# Altium PCB D73-V1.2 交通灯系统.PcbDoc (part 1 of 3) (continued)
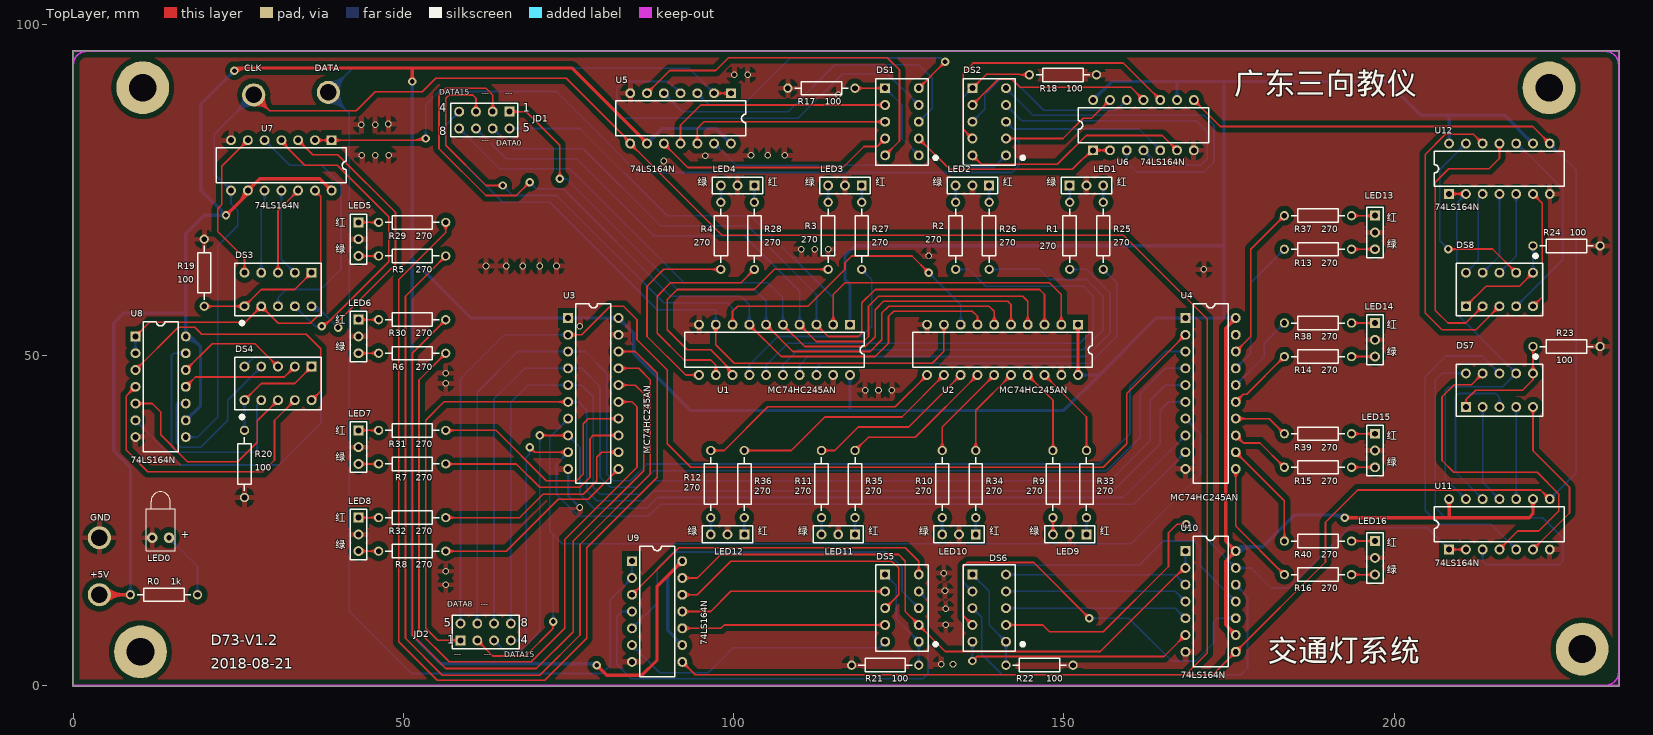
[diagram p0: TopLayer view]
## Nets (pads, with @x,y where several pads share a name; then routed paths per layer and width w, separated by ;. In a path a pad name is that pad's centre, name@x,y a point inside that pad or via, vN(x,y) a via of type N, cw(c..) or ccw(c..) an arc to the next point about the centre after c; other vN are vias at no path point) (continued)
  BottomLayer w0.254: JD1.4@57.797,86.868 cw(c56.293,86.868) 57.356,85.804 cw(c58.42,84.741) JD1.4@58.42,86.245 ; JD1.4@58.051,86.868 cw(c57.16,86.868) 57.79,86.238 cw(c58.42,85.608) JD1.4@58.42,86.499 ; JD1.4@58.42,86.868 56.388,84.836 56.388,81.788 65.024,73.152 72.136,73.152 88.392,56.896 97.028,56.896 97.282,56.642 U1.9@97.282,54.61 ; U1.9@96.841,55.051 ccw(c95.778,56.114) 97.282,56.114 ccw(c98.786,56.114) U1.9@97.723,55.051 ; U1.9@97.021,54.871 ccw(c96.391,55.501) 97.282,55.501 ccw(c98.173,55.501) U1.9@97.543,54.871
DAT8: JD2.5 U3.2 U4.2 | length 197.7
  TopLayer w0.254: U3.2@74.93,53.086 76.962,53.086 81.28,57.404 83.312,57.404 85.344,55.372 85.344,52.324 89.916,47.752 89.916,36.576 93.472,33.02 155.956,33.02 159.512,36.576 159.512,44.196 U4.2@168.402,53.086 ; U3.2@75.191,52.825 cw(c75.821,52.195) 75.821,53.086 cw(c75.821,53.977) U3.2@75.191,53.347 ; U3.2@75.371,52.645 cw(c76.434,51.582) 76.434,53.086 cw(c76.434,54.59) U3.2@75.371,53.527 ; U4.2@167.779,53.086 cw(c166.275,53.086) 167.338,52.022 cw(c168.402,50.959) U4.2@168.402,52.463 ; U4.2@168.033,53.086 cw(c167.142,53.086) 167.772,52.456 cw(c168.402,51.826) U4.2@168.402,52.717
  BottomLayer w0.254: JD2.5@58.183,9.788 ccw(c57.119,10.851) 58.623,10.851 ccw(c60.127,10.851) JD2.5@59.064,9.788 ; JD2.5@58.362,9.608 ccw(c57.732,10.238) 58.623,10.238 ccw(c59.514,10.238) JD2.5@58.884,9.608 ; JD2.5@58.623,9.347 58.623,46.431 65.278,53.086 U3.2@74.93,53.086 ; U3.2@74.489,52.645 ccw(c73.426,51.582) 73.426,53.086 ccw(c73.426,54.59) U3.2@74.489,53.527 ; U3.2@74.669,52.825 ccw(c74.039,52.195) 74.039,53.086 ccw(c74.039,53.977) U3.2@74.669,53.347
DAT9: JD2.6 U3.3 U4.3 | length 189.2
  BottomLayer w0.254: JD2.6@60.723,9.788 ccw(c59.659,10.851) 61.163,10.851 ccw(c62.667,10.851) JD2.6@61.604,9.788 ; JD2.6@60.902,9.608 ccw(c60.272,10.238) 61.163,10.238 ccw(c62.054,10.238) JD2.6@61.424,9.608 ; JD2.6@61.163,9.347 61.163,44.399 67.31,50.546 U3.3@74.93,50.546 77.47,50.546 80.772,47.244 80.772,32.004 81.788,30.988 84.328,30.988 86.868,33.528 155.448,33.528 160.02,38.1 160.02,45.212 165.354,50.546 U4.3@168.402,50.546 ; U3.3@74.489,50.105 ccw(c73.426,49.042) 73.426,50.546 ccw(c73.426,52.05) U3.3@74.489,50.987 ; U3.3@74.669,50.285 ccw(c74.039,49.655) 74.039,50.546 ccw(c74.039,51.437) U3.3@74.669,50.807 ; U3.3@75.191,50.285 cw(c75.821,49.655) 75.821,50.546 cw(c75.821,51.437) U3.3@75.191,50.807 ; U3.3@75.371,50.105 cw(c76.434,49.042) 76.434,50.546 cw(c76.434,52.05) U3.3@75.371,50.987 ; U4.3@167.961,50.105 ccw(c166.898,49.042) 166.898,50.546 ccw(c166.898,52.05) U4.3@167.961,50.987 ; U4.3@168.141,50.285 ccw(c167.511,49.655) 167.511,50.546 ccw(c167.511,51.437) U4.3@168.141,50.807
DAT10: JD2.7 U3.4 U4.4 | length 182.5
  BottomLayer w0.254: JD2.7@63.263,9.788 ccw(c62.199,10.851) 63.703,10.851 ccw(c65.207,10.851) JD2.7@64.144,9.788 ; JD2.7@63.442,9.608 ccw(c62.812,10.238) 63.703,10.238 ccw(c64.594,10.238) JD2.7@63.964,9.608 ; JD2.7@63.703,9.347 63.703,43.383 68.326,48.006 U3.4@74.93,48.006 76.962,48.006 79.756,45.212 79.756,31.496 81.28,29.972 85.344,29.972 87.884,32.512 156.464,32.512 161.544,37.592 161.544,44.196 165.354,48.006 U4.4@168.402,48.006 ; U3.4@74.489,47.565 ccw(c73.426,46.502) 73.426,48.006 ccw(c73.426,49.51) U3.4@74.489,48.447 ; U3.4@74.669,47.745 ccw(c74.039,47.115) 74.039,48.006 ccw(c74.039,48.897) U3.4@74.669,48.267 ; U3.4@75.191,47.745 cw(c75.821,47.115) 75.821,48.006 cw(c75.821,48.897) U3.4@75.191,48.267 ; U3.4@75.371,47.565 cw(c76.434,46.502) 76.434,48.006 cw(c76.434,49.51) U3.4@75.371,48.447 ; U4.4@167.961,47.565 ccw(c166.898,46.502) 166.898,48.006 ccw(c166.898,49.51) U4.4@167.961,48.447 ; U4.4@168.141,47.745 ccw(c167.511,47.115) 167.511,48.006 ccw(c167.511,48.897) U4.4@168.141,48.267
DAT11: JD2.8 U3.5 U4.5 | length 177.1
  BottomLayer w0.254: JD2.8@65.803,9.788 ccw(c64.739,10.851) 66.243,10.851 ccw(c67.747,10.851) JD2.8@66.684,9.788 ; JD2.8@65.982,9.608 ccw(c65.352,10.238) 66.243,10.238 ccw(c67.134,10.238) JD2.8@66.504,9.608 ; JD2.8@66.243,9.347 66.243,42.875 68.834,45.466 U3.5@74.93,45.466 76.962,45.466 78.74,43.688 78.74,29.972 79.756,28.956 85.852,28.956 87.884,30.988 156.972,30.988 163.068,37.084 163.068,43.18 165.354,45.466 U4.5@168.402,45.466 ; U3.5@74.489,45.025 ccw(c73.426,43.962) 73.426,45.466 ccw(c73.426,46.97) U3.5@74.489,45.907 ; U3.5@74.669,45.205 ccw(c74.039,44.575) 74.039,45.466 ccw(c74.039,46.357) U3.5@74.669,45.727 ; U3.5@75.191,45.205 cw(c75.821,44.575) 75.821,45.466 cw(c75.821,46.357) U3.5@75.191,45.727 ; U3.5@75.371,45.025 cw(c76.434,43.962) 76.434,45.466 cw(c76.434,46.97) U3.5@75.371,45.907 ; U4.5@167.961,45.025 ccw(c166.898,43.962) 166.898,45.466 ccw(c166.898,46.97) U4.5@167.961,45.907 ; U4.5@168.141,45.205 ccw(c167.511,44.575) 167.511,45.466 ccw(c167.511,46.357) U4.5@168.141,45.727
DAT12: JD2.1 U3.6 U4.6 | length 191.3
  TopLayer w0.254: JD2.1@58.183,6.367 ccw(c57.119,5.303) 57.119,6.807 ccw(c57.119,8.311) JD2.1@58.183,7.248 ; JD2.1@58.362,6.546 ccw(c57.732,5.916) 57.732,6.807 ccw(c57.732,7.698) JD2.1@58.362,7.068 ; JD2.1@58.623,6.807 55.169,6.807 53.34,8.636 53.34,40.132 56.134,42.926 U3.6@74.93,42.926 ; U3.6@74.489,42.485 ccw(c73.426,41.422) 73.426,42.926 ccw(c73.426,44.43) U3.6@74.489,43.367 ; U3.6@74.669,42.665 ccw(c74.039,42.035) 74.039,42.926 ccw(c74.039,43.817) U3.6@74.669,43.187
  BottomLayer w0.254: U3.6@74.93,42.926 76.454,42.926 77.724,41.656 77.724,29.464 79.248,27.94 86.36,27.94 87.884,29.464 157.48,29.464 164.592,36.576 164.592,41.656 165.862,42.926 U4.6@168.402,42.926 ; U3.6@75.191,42.665 cw(c75.821,42.035) 75.821,42.926 cw(c75.821,43.817) U3.6@75.191,43.187 ; U3.6@75.371,42.485 cw(c76.434,41.422) 76.434,42.926 cw(c76.434,44.43) U3.6@75.371,43.367 ; U4.6@167.961,42.485 ccw(c166.898,41.422) 166.898,42.926 ccw(c166.898,44.43) U4.6@167.961,43.367 ; U4.6@168.141,42.665 ccw(c167.511,42.035) 167.511,42.926 ccw(c167.511,43.817) U4.6@168.141,43.187
DAT13: JD2.2 U3.7 U4.7 | length 174.3
  TopLayer w0.254: JD2.2@61.163,6.184 cw(c61.163,4.68) 62.227,5.744 cw(c63.29,6.807) JD2.2@61.786,6.807 ; JD2.2@61.163,6.438 cw(c61.163,5.547) 61.793,6.177 cw(c62.423,6.807) JD2.2@61.532,6.807 ; JD2.2@61.163,6.807 63.525,4.445 68.453,4.445 72.644,8.636 ; v2@72.339,9.246 cw(c71.882,8.636) 72.644,8.636 ; v2(72.644,9.652) 72.644,8.636 ; v2@72.949,9.246 ccw(c73.406,8.636) 72.644,8.636
  BottomLayer w0.254: v2@72.285,10.011 ccw(c71.418,10.878) 72.644,10.878 ccw(c73.87,10.878) v2@73.003,10.011 ; v2(72.644,9.652) 72.644,22.86 ; U3.7@74.307,40.386 cw(c72.803,40.386) 73.866,39.322 cw(c74.93,38.259) U3.7@74.93,39.763 ; U3.7@74.561,40.386 cw(c73.67,40.386) 74.3,39.756 cw(c74.93,39.126) U3.7@74.93,40.017 ; U3.7@74.93,40.386 72.136,37.592 72.136,23.368 72.644,22.86 ; U4.7@168.402,39.763 cw(c168.402,38.259) 169.466,39.322 cw(c170.529,40.386) U4.7@169.025,40.386 ; U4.7@168.402,40.017 cw(c168.402,39.126) 169.032,39.756 cw(c169.662,40.386) U4.7@168.771,40.386 ; U4.7@168.402,40.386 170.688,38.1 170.688,32.004 160.147,21.463 74.041,21.463 72.644,22.86
DAT14: JD2.3 U3.8 U4.8 | length 168.6
  TopLayer w0.254: v2(70.612,37.846) U3.8@74.93,37.846 ; v2@70.971,37.487 cw(c71.838,36.62) 71.838,37.846 cw(c71.838,39.072) v2@70.971,38.205 ; U3.8@74.489,37.405 ccw(c73.426,36.342) 73.426,37.846 ccw(c73.426,39.35) U3.8@74.489,38.287 ; U3.8@74.669,37.585 ccw(c74.039,36.955) 74.039,37.846 ccw(c74.039,38.737) U3.8@74.669,38.107
  BottomLayer w0.254: JD2.3@63.703,6.184 cw(c63.703,4.68) 64.767,5.744 cw(c65.83,6.807) JD2.3@64.326,6.807 ; JD2.3@63.703,6.438 cw(c63.703,5.547) 64.333,6.177 cw(c64.963,6.807) JD2.3@64.072,6.807 ; JD2.3@63.703,6.807 65.43,5.08 67.564,5.08 70.612,8.128 v2(70.612,37.846) ; v2@70.253,37.487 cw(c69.386,36.62) 70.612,36.62 cw(c71.838,36.62) v2@70.971,37.487 ; U3.8@74.93,37.223 cw(c74.93,35.719) 75.994,36.782 cw(c77.057,37.846) U3.8@75.553,37.846 ; U3.8@74.93,37.477 cw(c74.93,36.586) 75.56,37.216 cw(c76.19,37.846) U3.8@75.299,37.846 ; U3.8@74.93,37.846 76.708,36.068 76.708,28.956 78.824,26.84 86.784,26.84 88.392,28.448 159.004,28.448 U4.8@168.402,37.846 ; U4.8@167.779,37.846 cw(c166.275,37.846) 167.338,36.782 cw(c168.402,35.719) U4.8@168.402,37.223 ; U4.8@168.033,37.846 cw(c167.142,37.846) 167.772,37.216 cw(c168.402,36.586) U4.8@168.402,37.477
DAT15: JD2.4 U3.9 U4.9 | length 163.3
  TopLayer w0.254: v2(69.088,36.068) 69.85,35.306 ; v2@69.137,35.562 cw(c69.221,34.677) 69.85,35.306 ; v2@69.594,36.019 ccw(c70.479,35.935) 69.85,35.306 ; U3.9@74.489,34.865 ccw(c73.426,33.802) 73.426,35.306 ccw(c73.426,36.81) U3.9@74.489,35.747 ; U3.9@74.669,35.045 ccw(c74.039,34.415) 74.039,35.306 ccw(c74.039,36.197) U3.9@74.669,35.567 ; U3.9@74.93,35.306 69.85,35.306
  BottomLayer w0.254: JD2.4@66.243,6.807 67.767,6.807 68.58,7.62 68.58,34.544 69.088,35.052 ; JD2.4@66.504,6.546 cw(c67.134,5.916) 67.134,6.807 cw(c67.134,7.698) JD2.4@66.504,7.068 ; JD2.4@66.684,6.367 cw(c67.747,5.303) 67.747,6.807 cw(c67.747,8.311) JD2.4@66.684,7.248 ; v2@68.783,35.662 cw(c68.326,35.052) 69.088,35.052 ; v2(69.088,36.068) 69.088,35.052 ; v2@69.393,35.662 ccw(c69.85,35.052) 69.088,35.052 ; U3.9@74.307,35.306 cw(c72.803,35.306) 73.866,34.242 cw(c74.93,33.179) U3.9@74.93,34.683 ; U3.9@74.561,35.306 cw(c73.67,35.306) 74.3,34.676 cw(c74.93,34.046) U3.9@74.93,34.937 ; U3.9@74.93,35.306 73.152,33.528 73.152,28.956 76.508,25.6 87.068,25.6 88.9,27.432 160.528,27.432 U4.9@168.402,35.306 ; U4.9@167.779,35.306 cw(c166.275,35.306) 167.338,34.242 cw(c168.402,33.179) U4.9@168.402,34.683 ; U4.9@168.033,35.306 cw(c167.142,35.306) 167.772,34.676 cw(c168.402,34.046) U4.9@168.402,34.937
GND: GND.1 LED0.2 LED1.2 LED2.2 LED3.2 LED4.2 LED5.2 LED6.2 LED7.2 LED8.2 LED9.2 LED10.2 LED11.2 LED12.2 LED13.2 LED14.2 LED15.2 LED16.2 R17.2 R18.2 R19.2 R20.2 R21.2 R22.2 R23.2 R24.2 U1.10 U1.19 U2.10 U2.19 U3.10 U3.19 U4.10 U4.19 U5.7 U6.7 U7.7 U8.7 U9.7 U10.7 U11.7 U12.7 | length 6.6
  BottomLayer w0.354: U3.10@74.93,32.766 74.93,28.702 v1(76.708,26.924)
  other v1: 131.4,3.2 133.2,3.2 132.1,9.2 132.1,11.6 132,14.3 56.388,15.24 131.8,17 56.388,17.272 119.888,44.704 121.92,44.704 123.952,44.704 56.388,45.72 56.388,47.244 76.708,54.356 171.196,62.992 62.484,63.5 65.532,63.5 68.072,63.5 70.612,63.5 73.152,63.5 129.54,65.024 110.236,66.04 112.268,66.04 114.3,66.04 89.4,79.4 95.7,80.2 43.688,80.264 45.72,80.264 47.752,80.264 102.616,80.264 105.156,80.264 107.696,80.264 43.6,84.9 45.7,84.9 47.7,85 115.824,89.408 100.076,92.456 102.108,92.456
NetCLK_1: CLK.1 U5.8 U6.8 U7.8 U8.8 U9.8 U10.8 U11.8 U12.8 | length 621.9
  TopLayer w0.254: CLK.1@27.305,89.408 29.693,87.02 ; CLK.1@27.4,88.552 cw(c27.559,87.128) 28.572,88.141 cw(c29.585,89.154) CLK.1@28.161,89.313 ; CLK.1@27.428,88.3 cw(c27.633,86.456) 28.945,87.768 cw(c30.257,89.08) CLK.1@28.413,89.285 ; CLK.1@27.456,88.047 cw(c27.708,85.783) 29.319,87.394 cw(c30.93,89.005) CLK.1@28.666,89.257 ; CLK.1@27.484,87.795 cw(c27.783,85.111) 29.692,87.021 ; CLK.1@28.918,89.229 ccw(c31.602,88.93) 29.692,87.021 ; 83.114,83.469 cw(c81.688,82.042) U5.8@83.705,82.042 ; 83.548,83.035 cw(c82.555,82.042) U5.8@83.959,82.042 ; 83.627,82.955 ccw(c84.328,83.656) U5.8@84.328,82.665 ; U5.8@84.328,81.419 cw(c84.328,79.915) 85.392,80.978 cw(c86.455,82.042) U5.8@84.951,82.042 ; U5.8@84.328,81.673 cw(c84.328,80.782) 84.958,81.412 cw(c85.588,82.042) U5.8@84.697,82.042 ; U9.8@92.202,2.933 cw(c92.202,1.429) 93.266,2.492 cw(c94.329,3.556) U9.8@92.825,3.556 ; U9.8@92.202,3.187 cw(c92.202,2.296) 92.832,2.926 cw(c93.462,3.556) U9.8@92.571,3.556 ; U9.8@92.202,3.556 94.158,1.6 168.402,1.6 ; U6.8@169.672,88.023 cw(c169.672,86.519) 170.736,87.582 cw(c171.799,88.646) U6.8@170.295,88.646 ; U6.8@169.672,88.277 cw(c169.672,87.386) 170.302,88.016 cw(c170.932,88.646) U6.8@170.041,88.646 ; U6.8@169.672,88.646 173.685,84.633 220.983,84.633 U12.8@223.574,82.042 ; U10.8@175.399,5.08 cw(c173.895,5.08) 174.958,4.016 cw(c176.022,2.953) U10.8@176.022,4.457 ; U10.8@175.653,5.08 cw(c174.762,5.08) 175.392,4.45 cw(c176.022,3.82) U10.8@176.022,4.711 ; U10.8@176.022,5.449 ccw(c176.022,6.34) 176.652,5.71 ccw(c177.282,5.08) U10.8@176.391,5.08 ; U10.8@176.022,5.703 ccw(c176.022,7.207) 177.086,6.144 ccw(c178.149,5.08) U10.8@176.645,5.08 ; U11.8@222.951,28.194 ccw(c221.447,28.194) 222.51,29.258 ccw(c223.574,30.321) U11.8@223.574,28.817 ; U12.8@222.951,82.042 ccw(c221.447,82.042) 222.51,83.106 ccw(c223.574,84.169) U12.8@223.574,82.665 ; U11.8@223.205,28.194 ccw(c222.314,28.194) 222.944,28.824 ccw(c223.574,29.454) U11.8@223.574,28.563 ; U12.8@223.205,82.042 ccw(c222.314,82.042) 222.944,82.672 ccw(c223.574,83.302) U12.8@223.574,82.411 ; U11.8@223.574,28.194 222.177,29.591 194.496,29.591 189.611,24.706 189.611,18.669 U10.8@176.022,5.08 172.542,1.6 168.402,1.6 ; 29.693,87.02 42.824,87.02 45.703,89.899 52.815,89.899 54.864,91.948 74.635,91.948 84.328,82.255 U5.8@84.328,82.042 98.222,68.148 159.029,68.148 171.704,55.474 171.704,4.902 168.402,1.6
  BottomLayer w0.254: U8.8@17.018,37.592 18.796,37.592 21.844,40.64 21.844,66.548 24.892,69.596 24.892,71.914 23.876,72.93 U7.8@23.876,74.93 21.336,77.47 21.336,83.439 CLK.1@27.305,89.408 ; U8.8@17.279,37.331 cw(c17.909,36.701) 17.909,37.592 cw(c17.909,38.483) U8.8@17.279,37.853 ; U8.8@17.459,37.151 cw(c18.522,36.088) 18.522,37.592 cw(c18.522,39.096) U8.8@17.459,38.033 ; U7.8@23.253,74.93 ccw(c21.749,74.93) 22.812,75.994 ccw(c23.876,77.057) U7.8@23.876,75.553 ; U7.8@23.435,74.489 cw(c22.372,73.426) 23.876,73.426 cw(c25.38,73.426) U7.8@24.317,74.489 ; U7.8@23.507,74.93 ccw(c22.616,74.93) 23.246,75.56 ccw(c23.876,76.19) U7.8@23.876,75.299 ; U7.8@23.615,74.669 cw(c22.985,74.039) 23.876,74.039 cw(c24.767,74.039) U7.8@24.137,74.669 ; CLK.1@25.682,89.408 cw(c21.764,89.408) 24.534,86.637 cw(c27.305,83.867) CLK.1@27.305,87.785 ; CLK.1@25.936,89.408 cw(c22.631,89.408) 24.968,87.071 cw(c27.305,84.734) CLK.1@27.305,88.039 ; CLK.1@26.19,89.408 cw(c23.498,89.408) 25.402,87.505 cw(c27.305,85.601) CLK.1@27.305,88.293 ; CLK.1@26.444,89.408 cw(c24.365,89.408) 25.835,87.938 cw(c27.305,86.468) CLK.1@27.305,88.547 ; U11.8@223.574,28.194 227.584,32.204 227.584,78.032 U12.8@223.574,82.042 ; U11.8@223.574,28.563 ccw(c223.574,29.454) 224.204,28.824 ccw(c224.834,28.194) U11.8@223.943,28.194 ; U11.8@223.574,28.817 ccw(c223.574,30.321) 224.638,29.258 ccw(c225.701,28.194) U11.8@224.197,28.194 ; U12.8@223.574,81.419 cw(c223.574,79.915) 224.638,80.978 cw(c225.701,82.042) U12.8@224.197,82.042 ; U12.8@223.574,81.673 cw(c223.574,80.782) 224.204,81.412 cw(c224.834,82.042) U12.8@223.943,82.042
NetDATA_1: DATA.1 U5.1 U5.2 U9.1 U9.2 | length 265.7
  TopLayer w0.254: U5.2@97.028,89.662 U5.1@99.568,89.662 ; U5.2@97.289,89.401 cw(c97.919,88.771) 97.919,89.662 cw(c97.919,90.553) U5.2@97.289,89.923 ; U5.2@97.469,89.221 cw(c98.532,88.158) 98.532,89.662 cw(c98.532,91.166) U5.2@97.469,90.103 ; U5.1@99.127,89.221 ccw(c98.064,88.158) 98.064,89.662 ccw(c98.064,91.166) U5.1@99.127,90.103 ; U5.1@99.307,89.401 ccw(c98.677,88.771) 98.677,89.662 ccw(c98.677,90.553) U5.1@99.307,89.923
  BottomLayer w0.254: DATA.1@38.608,88.166 cw(c38.608,84.248) 41.379,87.018 cw(c44.149,89.789) 40.231,89.789 cw(c44.149,89.789) 41.379,92.56 cw(c38.608,95.33) DATA.1@38.608,91.412 ; DATA.1@38.608,88.42 cw(c38.608,85.115) 40.945,87.452 cw(c43.282,89.789) 39.977,89.789 cw(c43.282,89.789) 40.945,92.126 cw(c38.608,94.463) DATA.1@38.608,91.158 ; DATA.1@38.608,88.674 cw(c38.608,85.982) 40.511,87.886 cw(c42.415,89.789) 39.723,89.789 cw(c42.415,89.789) 40.511,91.692 cw(c38.608,93.596) DATA.1@38.608,90.904 ; DATA.1@38.608,88.928 cw(c38.608,86.849) 40.078,88.319 cw(c41.548,89.789) 39.469,89.789 cw(c41.548,89.789) 40.078,91.259 cw(c38.608,92.729) DATA.1@38.608,90.65 ; U9.2@83.959,16.256 cw(c82.455,16.256) 83.518,15.192 cw(c84.582,14.129) U9.2@84.582,15.633 ; U9.2@84.141,16.697 ccw(c83.078,17.76) 84.582,17.76 ccw(c86.086,17.76) U9.2@85.023,16.697 ; U9.1@84.141,18.355 cw(c83.078,17.292) 84.582,17.292 cw(c86.086,17.292) U9.1@85.023,18.355 ; U9.2@84.213,16.256 cw(c83.322,16.256) 83.952,15.626 cw(c84.582,14.996) U9.2@84.582,15.887 ; U9.2@84.321,16.517 ccw(c83.691,17.147) 84.582,17.147 ccw(c85.473,17.147) U9.2@84.843,16.517 ; U9.1@84.321,18.535 cw(c83.691,17.905) 84.582,17.905 cw(c85.473,17.905) U9.1@84.843,18.535 ; U9.2@84.582,15.824 U9.2@84.582,16.256 ; U9.1@84.582,18.796 U9.2@84.582,16.256 ; U5.2@96.405,89.662 ccw(c94.901,89.662) 95.964,90.726 ccw(c97.028,91.789) U5.2@97.028,90.285 ; U5.2@96.659,89.662 ccw(c95.768,89.662) 96.398,90.292 ccw(c97.028,90.922) U5.2@97.028,90.031 ; U5.2@97.028,89.662 93.218,93.472 42.291,93.472 DATA.1@38.608,89.789 41.783,86.614 41.783,11.252 51.249,1.786 80.018,1.786 81.28,3.048 81.28,12.954 U9.2@84.582,16.256
NetDS1_1: DS1.1 DS1.6 R17.1 | length 31
  TopLayer w0.254: R17.1@118.59,90.198 cw(c119.134,89.654) 119.134,90.424 cw(c119.134,91.194) R17.1@118.59,90.65 ; R17.1@118.769,90.019 cw(c119.747,89.041) 119.747,90.424 cw(c119.747,91.807) R17.1@118.769,90.829 ; R17.1@118.872,90.424 DS1.1@122.936,90.424 ; DS1.1@122.495,89.983 ccw(c121.432,88.92) 121.432,90.424 ccw(c121.432,91.928) DS1.1@122.495,90.865 ; DS1.1@122.675,90.163 ccw(c122.045,89.533) 122.045,90.424 ccw(c122.045,91.315) DS1.1@122.675,90.685
  BottomLayer w0.254: DS1.1@122.936,89.801 cw(c122.936,88.297) 124,89.36 cw(c125.063,90.424) DS1.1@123.559,90.424 ; DS1.1@122.936,90.055 cw(c122.936,89.164) 123.566,89.794 cw(c124.196,90.424) DS1.1@123.305,90.424 ; DS1.1@122.936,90.424 125.476,87.884 125.476,82.804 DS1.6@128.016,80.264 ; DS1.6@127.393,80.264 ccw(c125.889,80.264) 126.952,81.328 ccw(c128.016,82.391) DS1.6@128.016,80.887 ; DS1.6@127.647,80.264 ccw(c126.756,80.264) 127.386,80.894 ccw(c128.016,81.524) DS1.6@128.016,80.633
NetDS1_2: DS1.2 U5.11 | length 42.6
  TopLayer w0.254: U5.11@91.507,82.483 ccw(c90.444,83.546) 91.948,83.546 ccw(c93.452,83.546) U5.11@92.389,82.483 ; U5.11@91.687,82.303 ccw(c91.057,82.933) 91.948,82.933 ccw(c92.839,82.933) U5.11@92.209,82.303 ; U5.11@91.948,82.042 91.948,84.836 94.996,87.884 DS1.2@122.936,87.884 ; DS1.2@122.495,87.443 ccw(c121.432,86.38) 121.432,87.884 ccw(c121.432,89.388) DS1.2@122.495,88.325 ; DS1.2@122.675,87.623 ccw(c122.045,86.993) 122.045,87.884 ccw(c122.045,88.775) DS1.2@122.675,88.145
NetDS1_3: DS1.3 U5.12 | length 38.7
  TopLayer w0.254: U5.12@94.047,82.483 ccw(c92.984,83.546) 94.488,83.546 ccw(c95.992,83.546) U5.12@94.929,82.483 ; U5.12@94.227,82.303 ccw(c93.597,82.933) 94.488,82.933 ccw(c95.379,82.933) U5.12@94.749,82.303 ; U5.12@94.488,82.042 94.488,84.328 95.504,85.344 DS1.3@122.936,85.344 ; DS1.3@122.495,84.903 ccw(c121.432,83.84) 121.432,85.344 ccw(c121.432,86.848) DS1.3@122.495,85.785 ; DS1.3@122.675,85.083 ccw(c122.045,84.453) 122.045,85.344 ccw(c122.045,86.235) DS1.3@122.675,85.605
NetDS1_4: DS1.4 U5.10 | length 44.4
  TopLayer w0.254: U5.10@89.408,81.419 cw(c89.408,79.915) 90.472,80.978 cw(c91.535,82.042) U5.10@90.031,82.042 ; U5.10@89.408,81.673 cw(c89.408,80.782) 90.038,81.412 cw(c90.668,82.042) U5.10@89.777,82.042 ; U5.10@89.408,82.042 93.04,78.41 116.537,78.41 119.737,81.61 121.742,81.61 DS1.4@122.936,82.804 ; DS1.4@122.313,82.804 cw(c120.809,82.804) 121.872,81.74 cw(c122.936,80.677) DS1.4@122.936,82.181 ; DS1.4@122.567,82.804 cw(c121.676,82.804) 122.306,82.174 cw(c122.936,81.544) DS1.4@122.936,82.435
NetDS1_5: DS1.5 U5.6 | length 62.6
  TopLayer w0.254: U5.6@86.868,89.662 90.322,93.116 97.282,93.116 99.212,95.047 123.266,95.047 125.095,93.218 125.095,82.423 DS1.5@122.936,80.264 ; U5.6@86.868,90.031 ccw(c86.868,90.922) 87.498,90.292 ccw(c88.128,89.662) U5.6@87.237,89.662 ; U5.6@86.868,90.285 ccw(c86.868,91.789) 87.932,90.726 ccw(c88.995,89.662) U5.6@87.491,89.662 ; DS1.5@122.936,80.633 ccw(c122.936,81.524) 123.566,80.894 ccw(c124.196,80.264) DS1.5@123.305,80.264 ; DS1.5@122.936,80.887 ccw(c122.936,82.391) 124,81.328 ccw(c125.063,80.264) DS1.5@123.559,80.264
NetDS1_7: DS1.7 U5.13 U6.1 U6.2 | length 92.5
  TopLayer w0.254: DS1.7@128.016,82.181 cw(c128.016,80.677) 129.08,81.74 cw(c130.143,82.804) DS1.7@128.639,82.804 ; DS1.7@128.016,82.435 cw(c128.016,81.544) 128.646,82.174 cw(c129.276,82.804) DS1.7@128.385,82.804 ; DS1.7@128.016,82.804 132.687,78.133 151.285,78.133 154.178,81.026 U6.1@154.432,81.026 U6.2@156.972,81.026 ; 152.935,79.783 cw(c154.432,78.286) U6.1@154.432,80.403 ; 153.368,80.216 cw(c154.432,79.153) U6.1@154.432,80.657 ; 153.548,80.396 ccw(c152.918,81.026) U6.1@153.809,81.026 ; U6.1@154.693,80.765 cw(c155.323,80.135) 155.323,81.026 cw(c155.323,81.917) U6.1@154.693,81.287 ; U6.1@154.873,80.585 cw(c155.936,79.522) 155.936,81.026 cw(c155.936,82.53) U6.1@154.873,81.467 ; U6.2@156.531,80.585 ccw(c155.468,79.522) 155.468,81.026 ccw(c155.468,82.53) U6.2@156.531,81.467 ; U6.2@156.711,80.765 ccw(c156.081,80.135) 156.081,81.026 ccw(c156.081,81.917) U6.2@156.711,81.287
  BottomLayer w0.254: U5.13@97.028,81.419 cw(c97.028,79.915) 98.092,80.978 cw(c99.155,82.042) U5.13@97.651,82.042 ; U5.13@97.028,81.673 cw(c97.028,80.782) 97.658,81.412 cw(c98.288,82.042) U5.13@97.397,82.042 ; U5.13@97.028,82.042 100.33,78.74 128.905,78.74 129.413,79.248 129.413,81.407 DS1.7@128.016,82.804 ; DS1.7@128.016,82.181 cw(c128.016,80.677) 129.08,81.74 cw(c130.143,82.804) DS1.7@128.639,82.804 ; DS1.7@128.016,82.435 cw(c128.016,81.544) 128.646,82.174 cw(c129.276,82.804) DS1.7@128.385,82.804
NetDS1_8: DS1.8 U5.5 | length 60.6
  BottomLayer w0.254: U5.5@89.408,89.039 cw(c89.408,87.535) 90.472,88.598 cw(c91.535,89.662) U5.5@90.031,89.662 ; U5.5@89.408,89.293 cw(c89.408,88.402) 90.038,89.032 cw(c90.668,89.662) U5.5@89.777,89.662 ; U5.5@89.408,89.662 92.202,86.868 108.204,86.868 115.316,93.98 128.016,93.98 130.048,91.948 130.048,87.376 DS1.8@128.016,85.344 ; DS1.8@128.016,85.713 ccw(c128.016,86.604) 128.646,85.974 ccw(c129.276,85.344) DS1.8@128.385,85.344 ; DS1.8@128.016,85.967 ccw(c128.016,87.471) 129.08,86.408 ccw(c130.143,85.344) DS1.8@128.639,85.344
NetDS1_9: DS1.9 U5.4 | length 73.1
  BottomLayer w0.254: U5.4@91.325,89.662 ccw(c89.821,89.662) 90.884,90.726 ccw(c91.948,91.789) U5.4@91.948,90.285 ; U5.4@91.579,89.662 ccw(c90.688,89.662) 91.318,90.292 ccw(c91.948,90.922) U5.4@91.948,90.031 ; U5.4@91.948,89.662 90.17,91.44 83.312,91.44 82.296,90.424 82.296,86.36 82.804,85.852 109.728,85.852 116.51,92.634 123.266,92.634 DS1.9@128.016,87.884 ; DS1.9@127.393,87.884 ccw(c125.889,87.884) 126.952,88.948 ccw(c128.016,90.011) DS1.9@128.016,88.507 ; DS1.9@127.647,87.884 ccw(c126.756,87.884) 127.386,88.514 ccw(c128.016,89.144) DS1.9@128.016,88.253
NetDS1_10: DS1.10 U5.3 | length 56.5
  TopLayer w0.254: DS1.10@128.016,90.424 v2(132.004,94.412) ; DS1.10@128.016,90.793 ccw(c128.016,91.684) 128.646,91.054 ccw(c129.276,90.424) DS1.10@128.385,90.424 ; DS1.10@128.016,91.047 ccw(c128.016,92.551) 129.08,91.488 ccw(c130.143,90.424) DS1.10@128.639,90.424 ; v2@131.496,94.412 cw(c130.269,94.412) 131.137,93.545 cw(c132.004,92.677) v2@132.004,93.904
  BottomLayer w0.254: U5.3@94.488,89.039 cw(c94.488,87.535) 95.552,88.598 cw(c96.615,89.662) U5.3@95.111,89.662 ; U5.3@94.488,89.293 cw(c94.488,88.402) 95.118,89.032 cw(c95.748,89.662) U5.3@94.857,89.662 ; U5.3@94.488,89.662 96.266,87.884 101.448,87.884 108.56,94.996 131.42,94.996 v2(132.004,94.412)
NetDS2_1: DS2.1 DS2.6 R18.1 | length 43.7
  TopLayer w0.254: DS2.1@136.144,90.424 138.275,92.555 143.256,92.555 143.355,92.456 R18.1@144.78,92.456 ; DS2.1@136.144,90.793 ccw(c136.144,91.684) 136.774,91.054 ccw(c137.404,90.424) DS2.1@136.513,90.424 ; DS2.1@136.144,91.047 ccw(c136.144,92.551) 137.208,91.488 ccw(c138.271,90.424) DS2.1@136.767,90.424 ; R18.1@144.375,92.051 ccw(c143.397,91.073) 143.397,92.456 ccw(c143.397,93.839) R18.1@144.375,92.861 ; R18.1@144.554,92.23 ccw(c144.01,91.686) 144.01,92.456 ccw(c144.01,93.226) R18.1@144.554,92.682
  BottomLayer w0.254: DS2.1@135.521,90.424 cw(c134.017,90.424) 135.08,89.36 cw(c136.144,88.297) DS2.1@136.144,89.801 ; DS2.1@135.775,90.424 cw(c134.884,90.424) 135.514,89.794 cw(c136.144,89.164) DS2.1@136.144,90.055 ; DS2.1@136.144,90.424 134.747,89.027 134.747,79.045 135.382,78.41 139.37,78.41 DS2.6@141.224,80.264 ; DS2.6@140.601,80.264 cw(c139.097,80.264) 140.16,79.2 cw(c141.224,78.137) DS2.6@141.224,79.641 ; DS2.6@140.855,80.264 cw(c139.964,80.264) 140.594,79.634 cw(c141.224,79.004) DS2.6@141.224,79.895
NetDS2_2: DS2.2 U6.11 | length 36.4
  TopLayer w0.254: DS2.2@136.144,87.884 140.061,91.801 142.108,91.801 143.358,90.551 160.147,90.551 U6.11@162.052,88.646 ; DS2.2@136.144,88.253 ccw(c136.144,89.144) 136.774,88.514 ccw(c137.404,87.884) DS2.2@136.513,87.884 ; DS2.2@136.144,88.507 ccw(c136.144,90.011) 137.208,88.948 ccw(c138.271,87.884) DS2.2@136.767,87.884 ; U6.11@161.429,88.646 ccw(c159.925,88.646) 160.988,89.71 ccw(c162.052,90.773) U6.11@162.052,89.269 ; U6.11@161.683,88.646 ccw(c160.792,88.646) 161.422,89.276 ccw(c162.052,89.906) U6.11@162.052,89.015